# Altium PCB LA200-GZ.PcbDoc (continued)
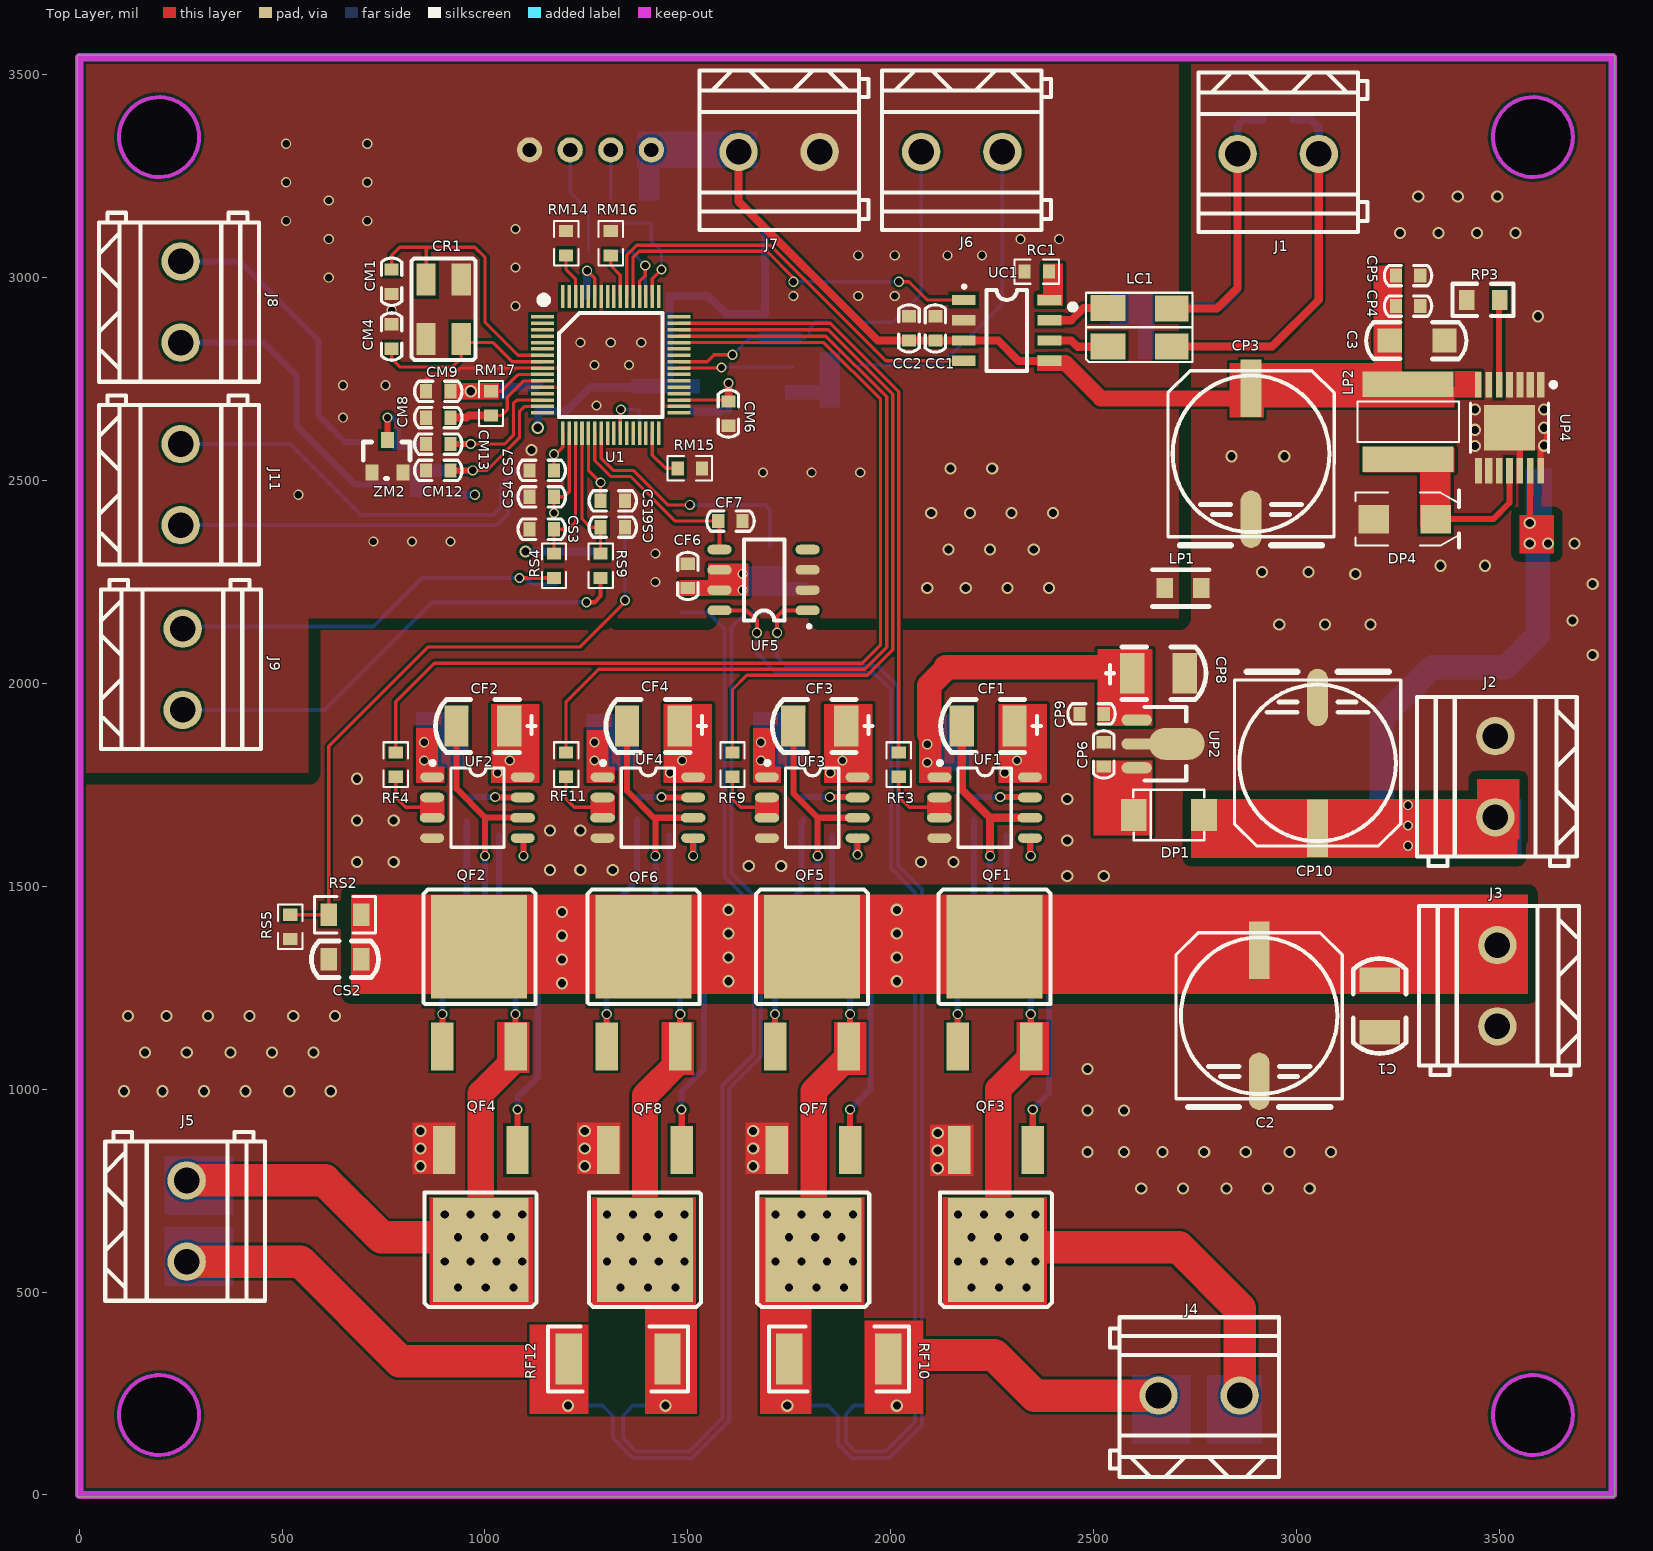
[diagram p0: Top Layer view]
## Components (designator, comment, footprint, x,y, rotation, side; value= is the part's Value field where it differs from the comment) (continued)
QF8 "FDD86567-F085" TO-252-3 1485,850 r180 top
RC1 "R0603_10K" R0603 2390,3015 r180 top
RC2 "R0805_62R" R0805 2630,2830 r0 bottom
RC3 "R0805_62R" R0805 2630,2930 r0 bottom
RF1 "R0603_10R" R0603 2205,1720 r270 bottom
RF2 "R0603_10R" R0603 955,1720 r270 bottom
RF3 "R0603_510R" R0603 2020,1830 r270 top
RF4 "R0603_510R" R0603 780,1830 r270 top
RF5 "R0603_10R" R0603 2345,1625 r180 bottom
RF6 "R0603_10R" R0603 1095,1625 r180 bottom
RF7 "R0603_10R" R0603 1780,1720 r270 bottom
RF8 "R0603_10R" R0603 1375,1720 r270 bottom
RF9 "R0603_510R" R0603 1610,1830 r270 top
RF10 "R2512_0.01R" R2512 1750,335 r0 top
RF11 "R0603_510R" R0603 1200,1830 r270 top
RF12 "R2512_0.01R" R2512 1450,335 r180 top
RF13 "R0603_10R" R0603 1915,1625 r180 bottom
RF14 "R0603_10R" R0603 1515,1625 r180 bottom
RM1 "R0603_10K" R0603 1380,2670 r90 bottom
RM2 "R0603_36K" R0603 1690,2850 r90 bottom
RM3 "R0805_1.5K" R0805 1845,2890 r0 bottom
RM4 "R0805_0.62K" R0805 1845,2785 r0 bottom
RM5 "R0603_51R" R0603 1760,2780 r270 bottom
RM6 "R0603_36K" R0603 915,2525 r270 bottom
RM7 "R0805_1.5K" R0805 840,2490 r180 bottom
RM8 "R0805_0.62K" R0805 785,2595 r180 bottom
RM9 "R0603_51R" R0603 915,2590 r180 bottom
RM10 "R0603_510R" R0603 1310,3195 r270 bottom
RM11 "R0603_510R" R0603 1255,3065 r0 bottom
RM12 "R0603_10K" R0603 1470,3135 r180 bottom
RM13 "R0603_10K" R0603 1455,2955 r180 bottom
RM14 "R0603_10K" R0603 1200,3115 r270 top
RM15 "R0603_10K" R0603 1535,2530 r180 top
RM16 "R0603_10K" R0603 1310,3115 r270 top
RM17 "R0603_0R" R0603 1015,2660 r90 top
RP3 "RP0805J-47K-1/4W" 0805_R 3420,2945 r0 top
RS1 "R0603_4.7K" R0603 1285,2445 r0 bottom
RS2 "R0805_100K" R0805 615,1430 r0 top
RS3 "R0805_4.02K" R0805 1175,2325 r270 bottom
RS4 "R0603_10K" R0603 1170,2320 r270 top
RS5 "R0603_15K" R0603 520,1370 r90 top
RS6 "R0805_4.02K" R0805 1285,2325 r270 bottom
RS7 "R0603_4.7K" R0603 1170,2460 r180 bottom
RS8 "R0603_240K" R0603 440,2450 r270 bottom
RS9 "R0603_10K" R0603 1285,2320 r270 top
RS10 "R0603_4.7K" R0603 1170,2525 r180 bottom
RS11 "R0603_240K" R0603 440,2530 r90 bottom
U1 "AC7815-LQFP64" LQFP-64_L10.0-W10.0-P0.50-LS12.0-BL-EP5.3 1275,2805 r0 top
UC1 "TLE6250G" PG-DSO-8 2180,2945 r0 top
UF1 "IRS2007STRPBF" SOIC-8L 2120,1770.91 r0 top
UF2 "IRS2007STRPBF" SOIC-8L 870,1770.91 r0 top
UF3 "IRS2007STRPBF" SOIC-8L 1695,1770.91 r0 top
UF4 "IRS2007STRPBF" SOIC-8L 1290,1770.91 r0 top
UF5 "AD8206YRZ" SO-8_NB 1795,2180 r180 top
UF6 "AD8206YRZ" SO-8_NB 1485,2175 r0 bottom
UP2 "L78L12ABUTR" SOT-89 2705,1850 r180 top
UP4 "TLF50201EL" SSOP14-EP2 3525,2630 r270 top
ZM1 "BZX84C5V1" SOT-23AK 1855,2705 r90 bottom
ZM2 "BZX84C5V1" SOT-23AK 760,2600 r90 top

## Footprints (in the part's own frame and the unit in brackets; to place one, negate y for a bottom-side part, rotate by r counter-clockwise, add the part's x,y. Pads: shape width x height; smd on the part's side, far side on the other; paste and mask are expansions set on the pad)
"5.0*3.2*0.9mm AB" [mm]
  rect 2x1.2 smd: 1(0,0) 2(3.7,0) 3(3.7,2.2) 4(0,2.2)
  silkscreen extent -1.32,-0.91 5.03,3.1, body extent -0.59,-0.51 4.41,2.69, height 1.15
0805_R [mil]
  rect 38x50 smd: 1(0,0) 2(81,0)
  silkscreen extent -35,-40 115,40
ACT45B [mm]
  rect 2.2x1.626 smd: 1(1.414,3.427) 2(1.412,1.012)
  rect 2.1x1.626 smd: 3(5.4,1.012) 4(5.4,3.4)
  silkscreen extent -0.9,0.05 6.7,4.39
C0603 [mil]
  rect 30x35 smd: 1(0,0) 2(60,0)
  silkscreen extent -28,-25 88,25, body extent -1,-15 61,17, height 35
C0805 [mil]
  rect 40x56 smd: 1(0,0) 2(80,0)
  silkscreen extent -43,-45 123,45, body extent 0,-25 80,24, height 36
C1206 [mil]
  rect 60x60 smd: 1(-0.25,0.08) 2(134.75,0.08)
  silkscreen extent -58,-45 189,45, body extent 0,-31 126,32, height 37
C1210 [mil]
  rect 60x100 smd: 1(0,0) 2(130,0)
  silkscreen extent -52,-65 182,65, body extent 0,-49 126,49, height 37
CONN-TH_2P-P5.08_DB128L-5.08-2P [mm]
  round 2.4 hole 1.6: 1(-2.54,0) 2(2.54,0)
  silkscreen extent -5.59,-5.1 4.99,4.9
CTANB [mil]
  rect 60x100 smd: 1(0,0) 2(130,0)
  silkscreen extent -65,-65 182,65, body extent -4,-55 134,55, height 75
D0-214AC [mm]
  rect 1.6x2 smd: 1(-2.337,-0.025) 2(2.063,-0.025)
  silkscreen extent -2.36,-1.6 2.08,1.55, body extent -2.48,-1.38 2.12,1.32, height 2.4
E10T10 [mm]
  rect 3.6x1.3 smd: 1(8.189,-0.076)
  oval 3.6x1.3 smd: 2(-0.011,-0.076)
  silkscreen extent -1.63,-5.28 9.29,5.13, body extent -1.07,-5.16 9.09,5, height 11.92
IDC-SIP-4P-2.54 [mil]
  round 62 hole 35: 1(0,0) 2(100,0) 3(200,0) 4(300,0)
  silkscreen extent -98,-112 394,112
L0603 [mil]
  rect 30x35 smd: 1(0,0) 2(60,0)
  silkscreen extent -20,-30 75,30, body extent -1,-16 62,16, height 35
"L 0805" [mil]
  rect 40.31x50 smd: 1(-0.25,-0.08) 2(89.75,-0.08)
  silkscreen extent -20,-45 120,45, body extent 6,-25 84,25, height 47
L_6045 [mm]
  rect 1.6x5.7 smd: 1(-2.35,0) 2(2.35,0)
  silkscreen extent -1.27,-3.17 1.27,3.17
LQFP-64_L10.0-W10.0-P0.50-LS12.0-BL-EP5.3 [mm]
  rect 1.45x0.22 smd: 1(-3.386,2.492) 2(-3.386,2.092) 3(-3.386,1.692) 4(-3.386,1.292) 5(-3.386,0.892) 6(-3.386,0.492) 7(-3.386,0.092) 8(-3.386,-0.308) 9(-3.386,-0.708) 10(-3.386,-1.108) 11(-3.386,-1.508) 12(-3.386,-1.908) 13(-3.386,-2.308) 14(-3.386,-2.708) 15(-3.386,-3.108) 16(-3.386,-3.508) 33(5.164,-3.508) 34(5.164,-3.108) 35(5.164,-2.708) 36(5.164,-2.308) 37(5.164,-1.908) 38(5.164,-1.508) 39(5.164,-1.108) 40(5.164,-0.708) 41(5.164,-0.308) 42(5.164,0.092) 43(5.164,0.492) 44(5.164,0.892) 45(5.164,1.292) 46(5.164,1.692) 47(5.164,2.092) 48(5.164,2.492)
  rect 0.22x1.45 smd: 17(-2.111,-4.783) 18(-1.711,-4.783) 19(-1.311,-4.783) 20(-0.911,-4.783) 21(-0.511,-4.783) 22(-0.111,-4.783) 23(0.289,-4.783) 24(0.689,-4.783) 25(1.089,-4.783) 26(1.489,-4.783) 27(1.889,-4.783) 28(2.289,-4.783) 29(2.689,-4.783) 30(3.089,-4.783) 31(3.489,-4.783) 32(3.889,-4.783) 49(3.889,3.767) 50(3.489,3.767) 51(3.089,3.767) 52(2.689,3.767) 53(2.289,3.767) 54(1.889,3.767) 55(1.489,3.767) 56(1.089,3.767) 57(0.689,3.767) 58(0.289,3.767) 59(-0.111,3.767) 60(-0.511,3.767) 61(-0.911,3.767) 62(-1.311,3.767) 63(-1.711,3.767) 64(-2.111,3.767)
  silkscreen extent -3.45,-3.76 4.14,3.69
PG-DSO-8 [mm]
  rect 1.5x0.65 smd: 1(0,0) 2(0,-1.27) 3(0,-2.54) 4(0,-3.81) 5(5.36,-3.81) 6(5.36,-2.54) 7(5.36,-1.27) 8(5.36,0)
  silkscreen extent -0.07,-4.44 3.96,0.94, body extent -0.3,-4.29 5.48,0.61, height 1.45
R0603 [mil]
  rect 30x35 smd: 1(0,0) 2(60,0)
  silkscreen extent -25,-30 85,30, body extent 0,-17 63,15, height 21
R0805 [mil]
  rect 40x56 smd: 1(0,0) 2(80,0)
  silkscreen extent -35,-45 115,45, body extent 2,-25 81,24, height 21
R2512 [mil] "Chip Capacitor, Body 2.54x1.27mm, IPC High Density"
  rect 65x126 smd: 1(0,0) 2(243.56,-0.15)
  silkscreen extent -50,-80 295,80, body extent -4,-63 244,63, height 25
SMA-DIODE [mil]
  rect 74.8x70 smd: A(5,0) K(158.54,0)
  silkscreen extent -40,-70 215,70
SO-8_NB [mm]
  oval 1.52x0.6 smd: 1(0,0) 2(0,-1.27) 3(0,-2.54) 4(0,-3.81) 5(5.512,-3.81) 6(5.512,-2.54) 7(5.512,-1.27) 8(5.512,0)
  silkscreen extent -0.2,-4.44 3.99,1.1, body extent -0.19,-4.31 5.59,0.6, height 1.45
SOD-80 [mm]
  rect 1.2x1.8 smd: 1(0,0) 2(3.2,0)
  silkscreen extent -0.9,-1.25 4.42,1.2, body extent -0.22,-0.83 3.48,0.77, height 1.61
SOIC-8L [mm] "SOIC, 8-Leads, Body 4.9x3.9mm, Pitch 1.27mm, IPC Medium Density"
  oval 1.5x0.6 smd: 1(-0.006,-0.051) 2(-0.006,-1.321) 4(-0.006,-3.861) 5(5.664,-3.861) 7(5.664,-1.321) 8(5.664,-0.051)
  oval 1.55x0.6 smd: 3(-0.006,-2.591) 6(5.664,-2.591)
  silkscreen extent -0.1,-4.44 4.5,0.96, body extent -0.18,-4.41 5.82,0.49, height 1.7
SOT-23 [mm]
  rect 0.8x0.9 smd: 1(-0.046,0) 2(1.854,0) 3(0.904,2.343)
  silkscreen extent -1.05,-0.12 2.17,1.45, body extent -0.55,-0.3 2.35,2.5, height 1.2
SOT-23AK [mil]
  rect 39x32 smd: A(-80,38) K(0,0) NC(-80,-38)
  silkscreen extent -95,-55 -5,60
SOT-89 [mm] "SOT23, 6-Leads, Body 2.9x1.6mm, Pitch 0.95mm, Lead Span 2.7mm, IPC Medium Density"
  oval 1.9x0.7 smd: 1(2.507,-1.527) 3(2.507,1.473)
  oval 3.5x2 smd: 2(0.007,-0.027)
  oval 2.1x0.7 smd: 2(2.407,-0.027)
  silkscreen extent -0.59,-2.33 2.01,2.27, body extent -1.24,-2.28 3.06,2.22, height 1.51
SSOP14-EP2 [mm]
  rect 2.85x3.2 smd paste-0.555 mask+0: 0(0,0)
  rect 1.6x0.45 smd paste+0 mask+0: 1(-2.7,1.95) 2(-2.7,1.3) 3(-2.7,0.65) 8(2.7,-1.95) 9(2.7,-1.3)
  rect 1.6x0.42 smd paste+0 mask+0: 4(-2.7,0) 5(-2.7,-0.65) 6(-2.7,-1.3)
  rect 1.6x0.419 smd paste+0 mask+0: 7(-2.7,-1.95) 10(2.7,-0.65) 11(2.7,0) 12(2.7,0.65) 13(2.7,1.3) 14(2.7,1.95)
  silkscreen extent -2.85,-2.45 1.55,2.9, body extent -3,-2.45 3,2.45, height 1.71
TO-252-3 [mm]
  rect 1.4x3 smd: 1(0,0) 3(4.6,0)
  rect 6x6.5 smd: 2(2.3,6.25)
  silkscreen extent -1.19,2.67 5.82,9.83, body extent -1.04,-1.18 5.66,9.18, height 2.41

## Part data
C1: library part 3170014005, "C1210 0.1uF/50V 10%"
C2 CP10: library part 3172690040, "E10T10 220uF/50V 20%"
C3: library part 3172530019, "C1206 10uF/50V  10%"
CC1 CC2 CF5 CF6 CM2 CM6 CM8 CM9 CM11 CM14 CM15 CP2 CP4 CP7 CP9 CS3 CS4 CS6 CS7: library part 3170011015, "C0603 0.1uF/50V 10%"
CC3: library part 3170011009, "C0603 4.7nF/50V 5% X7R"
CF1 CF2 CF3 CF4 CP8: library part 3172690034, "CtanB(1210) 10uF/25V 10%"
CF7 CF8 CM3 CM7 CM12 CM13: library part 3170011003, "C0603 100pF/50V 5%"
CM1 CM4: library part 3172510040, "C0603 15pF/50V 10%"
CM5 CM10: library part 3170012008, "C0805 10uF/16V 10%"
CP1: library part 3170014011, "C1210 10uF/50V 10%"
CP3: library part ELECTRO1
CP5 CS5 CS8: library part 3170011011, "C0603 10nF/50V  10%"
CP6: library part 3172510028, "C0603 0.22uF/50V 10%"
CR1: library part 53120010024, "5.0*3.2*0.9mm AB 8MHz"
CS1: library part 3172510036, "C0603 1uF/50V 10%"
CS2: library part 3172520028, "C0805 1nF/100V 10%"
DC1: library part 3110050073, "SOT-23 SZNUP2105LT1G"
DF1 DF2 DF5 DF6: library part 3110010015, "SOD-80  LL4148 2A/75V"
DF3 DF4: library part 3110050074, "SOT-23 SM36T1G"
DP1: library part 13110010013, "D0-214AC FM404"
DP4: library part DIODE, "60V,1A,肖特基二极管"
J1 J2 J3 J4 J5 J6 J7 J8 J9 J11: library part 31900010141, "691311500002 2Pin 5.08mm 公头"
LC1: library part 3180020022, "ACT45B-510-2P-TL  10M/1K/0.2A"
LM1 LM2: library part 3180020002, "L0603 ILBB0603ER102V"
LP1: library part 53180020011, "L0805 MPZ2012S221ATD25"
LP2: library part Inductor, "22uH/1.9A"
P1: library part 3190010008, "直针插座 CWF25404D180 4PIN/2.54mm/1A/250V"
QF1 QF2 QF3 QF4 QF5 QF6 QF7 QF8: library part 53110022012, "TO-252-3 FDD86567-F085 60V/100A"
RC1 RM12 RM13 RM14 RM15 RM16: library part 3160030053, "R0603 1/10w 10K 1%"
RC2 RC3: library part 3160050016, "R0805 1/8w10R 1%"
RF1 RF2 RF5 RF6 RF7 RF8 RF13 RF14: library part 3160030193, "R0603 1/10w  10R 1%"
RF3 RF4 RF9 RF11 RM10 RM11: library part 3160030020, "R0603  1/10w 510R 1%"
RF10 RF12: library part 3162380033, "R2512 1W 0.01R 1%"
RM1 RS4 RS9: library part 3160030053, "R0603 1/10w 10K"
RM2 RM6: library part 3160030087, "R0603 1/10w  36K 1%"
RM3 RM7: library part 13162320038, "R0805 1/8w 1.5K 1%最好用1/4w"
RM4 RM8: library part 3162320027, "R0805 1/8w 0.62K 1% 需要1/4w"
RM5 RM9: library part 3160030013, "R0603  1/10w 51R 1%或100欧"
RM17: library part 3160030001, "R0603 1/10w 0R 1%"
RP3: library part RES2, "汽车级电阻，47kΩ"
RS1 RS7 RS10: library part 3160030224, "R0603 1/10w  4.7K 1%"
RS2: library part 3160050008, "R0805 1/8w 100K 1%"
RS3 RS6: library part 13162320037, "R0805 1/8w 4.02K 1%"
RS5: library part 3160030062, "R0603 1/10w 15K 1%"
RS8 RS11: library part 3160030151, "R0603 1/10w 240K 1%"
U1: library part AC7811-LQFP64
UC1: library part 3100050124, "PG-DSO-8 TLE9251VSJ"
UF1 UF2 UF3 UF4: library part 3100050121, "SOIC-8L IRS2007STRPBF"
UF5 UF6: library part 3100100010, "SO-8_NB AD8206YRZ"
UP2: library part 3100050105, "SOT-89 L78L12ABUTR"
ZM1 ZM2: library part 3110010088, "SOT-23 BZX84C5V1"

## Via types
v1: diameter 30, hole 20, Top Layer to Bottom Layer, 182 vias
v2: diameter 25, hole 18, Top Layer to Bottom Layer, 107 vias

## Nets (pads, with @x,y where several pads share a name; then routed paths per layer and width w, separated by ;. In a path a pad name is that pad's centre, name@x,y a point inside that pad or via, vN(x,y) a via of type N, cw(c..) or ccw(c..) an arc to the next point about the centre after c; other vN are vias at no path point)
12V: CP8.1 CP9.1 DF1.1 DF2.1 DF5.1 DF6.1 UF1.1 UF2.1 UF3.1 UF4.1 UP2.1 | length 631.6
  Top Layer w60: 2095,1875 2095,1995 2135,2035 ; 2135,2040 CP8.1@2590,2040
  other v2: 2090,1805 850,1810 1270,1810 1680,1810 2090,1850 850,1855 1270,1855 1680,1855
28V: CP1.1 CP2.1 CP7.1 CP10.1 DP1.1 J2.1 UP4.13 | length 1338.2
  Top Layer w15: v1@3575,2385 3575,2463.52 3576.18,2464.7 UP4.13
  Bottom Layer w60: J2.1 3220,1670 3210,1680 3210,1915 3335,2040 3515,2040 3595,2120 3595,2330
  other v1: 3575,2345 3620,2345 3575,2395
  other v2: 3275,1600 3275,1650 3275,1700
AD_PZT1: CS3.1 RS4.1 U1.19 | length 339.3
  Top Layer w8: RS4.1 CS3.1 1205,2380 1223.39,2398.39 U1.19
AD_PZT2: CS6.1 RS9.1 U1.20 | length 330.3
  Top Layer w8: U1.20 1239.13,2405.87 1260,2385 CS6.1 RS9.1
AD_VBAT1: CS1.1 RS1.1 U1.21 | length 229.2
  Top Layer w8: U1.21 1254.88,2525.12 v2(1285,2495) CS1.1
  Bottom Layer w8: RS1.1 v2(1285,2495)
AVDD: CM9.1 CM10.1 LM2.1 RM17.2 U1.10 | length 200.9
  Top Layer w8: v1(965,2720) RM17.2 1040,2720 1079.91,2759.91 1081.13,2759.91 1082.59,2761.38 U1.10
  Bottom Layer w8: LM2.1@1135,2735 LM2.1@1140,2740
AVDD-IO: CM8.2 RM17.1 U1.11 | length 281.8
  Top Layer w8: RM17.1 1040,2660 1055,2675 1055,2705 1095.63,2745.63 U1.11
  Top Layer w20: CM8.2 955,2655 960,2660 RM17.1
BOOT: RM16.2 U1.55 | length 111.5
  Top Layer w8: RM16.2 1310,3030 1333.62,3006.38 U1.55
CAN1_RX: U1.54 UC1.4 | length 1061.1
  Top Layer w8: U1.54 1349.37,3055.58 1373.79,3080 1703.23,3080 1988.23,2795 UC1.4
CAN1_TX: U1.53 UC1.1 | length 973.4
  Top Layer w8: U1.53 1365.12,3050.12 1380,3065 1695,3065 1760,3000 v2(1760,2990) ; v2(2020,2990) 2045,2990 2090,2945 UC1.1
  Bottom Layer w8: v2(1760,2990) v2(2020,2990)
CANH: DC1.2 J1.2 LC1.4 RC3.2 | length 1148.4
  Top Layer w20: LC1.4 2803.86,2923.86 2855,2975 J1.2
  Bottom Layer w20: RC3.2 2815,2930 2855,2970 J1.2 2855,3375 2870,3390 DC1.2
CANL: DC1.1 J1.1 LC1.3 RC2.2 | length 1666.8
  Top Layer w20: LC1.3@2685,2830 2940,2830 3055,2945 J1.1
  Bottom Layer w20: RC2.2 2940,2830 3055,2945 J1.1 3055,3370 3035,3390 DC1.1
DVDD: CM5.2 CM6.1 CM15.2 LM1.2 U1.35 U1.59 | length 986.6
  Top Layer w8: v2(1251.89,3016.89) 1270.63,2998.15 U1.59 ; U1.35 CM6.1@1600,2698.39
  Top Layer w20: CM6.1 1600,2698.39 v2(1600,2740)
  VCC w20: v2(1251.89,3016.89) 1251.89,2963.11 1265,2950 1430,2950 1470,2910 1470,2815 1545,2740 v2(1600,2740)
  Bottom Layer w20: CM15.2 v2(1251.89,3016.89) ; LM1.2 CM5.2@1580,2670 ; CM5.2 v2(1600,2740)
EXTAL: CM1.1 CR1.1 U1.7 | length 701.1
  Top Layer w8: CM1.1 770,3055 790,3075 860,3075 ; CR1.1 855,3070 860,3075 ; U1.7 1081.38,2808.62 1000,2890 1000,3050 975,3075 860,3075
GND: CC1.2 CC2.1 CC3.2 CF5.2 CF6.2 CF7.2 CF8.2 CM1.2 CM2.1 CM3.1 CM4.2 CM5.1 CM6.2 CM7.1 CM8.1 CM9.2 CM10.2 CM11.2 CM12.1 CM13.1 CM14.1 CM15.1 CR1.2 CR1.4 CS1.2 CS3.2 CS4.2 CS5.2 CS6.2 CS7.2 CS8.2 J7.1 LP1.2 P1.1 RC1.2 RM12.1 RM14.1 RM15.1 RM16.1 RS8.1 RS11.1 U1.9 U1.12 U1.34 U1.58 UC1.2 UF5.2 UF5.3 UF6.2 UF6.3 ZM1.A ZM1.NC ZM2.A ZM2.NC | length 327.9
  Top Layer w8: CM9.2 855,2750 865,2760 921.21,2760 938.34,2777.13 U1.9
  other v1: 2090,2235 2185,2235 2287.5,2235 2390,2235 2142.5,2330 2245,2330 2352.5,2330 2100,2420 2195,2420 2297.5,2420 2400,2420 2147.5,2530 2250,2530 1115,2575
  other v2: 1420,2250 1420,2320 725,2350 820,2350 915,2350 540,2465 1685,2520 1805,2520 1925,2520 650,2655 1275,2685 650,2735 755,2735 1270,2785 1355,2785 1235,2840 1310,2840 1385,2840 770,2920 1075,2930 1760,2955 1920,2955 2010,2955 615,3000 1075,3025 1920,3055 2010,3055 2140,3055 2225,3055 615,3095 2320,3095 2415,3095 1075,3120 510,3140 710,3140 615,3190 510,3235 710,3235 510,3330 710,3330
IINJ1_AD_MCU: CF7.1 U1.22 UF5.5 | length 506.6
  Top Layer w8: U1.22 1270.63,2549.37 1310,2510 1358.79,2510 1468.79,2400 CF7.1 CF7.1@1578,2400
  Top Layer w10: UF5.5 CF7.1@1578,2400
IINJ2_AD_MCU: CF8.1 U1.23 UF6.5 | length 618
  Top Layer w8: U1.23 1286.38,2554.84 1316.21,2525 1365,2525 1450,2440 v2(1505,2440)
  Bottom Layer w10: v2(1505,2440) 1690,2440 1702,2428 1702,2340
MAP1-IN: CS5.1 J11.2 RS7.2 RS8.2 | length 908.6
  Bottom Layer w10: J11.2@240,2390 J11.2 CS5.1 RS8.2 ; RS8.2@445,2390 1030,2390 1057,2417 1057,2442 1075,2460 RS7.2
MAP1_AD_MCU: CS4.1 RS7.1 U1.18 | length 266.9
  Top Layer w8: v2(1170,2420) CS4.1 1195,2460 1207.64,2472.64 U1.18
  Bottom Layer w8: v2(1170,2420) RS7.1
MAP2-IN: CS8.1 J11.1 RS10.2 RS11.2 | length 1030.3
  Bottom Layer w10: J11.1@240,2590 J11.1 CS8.1 RS11.2 520,2590 695,2415 1020,2415 1040,2435 1040,2490 1075,2525 RS10.2 RS10.2@1120,2525
MAP2_AD_MCU: CS7.1 RS10.1 U1.17 | length 125.8
  Top Layer w8: CS7.1 1170,2560 1191.89,2581.89 U1.17
  Bottom Layer w8: RS10.1@1170,2540 v2(1170,2565)
NetCC3_1: CC3.1 RC2.1 RC3.1 | length 194.1
  Bottom Layer w8: CC3.1 2560,2920 2570,2930 RC3.1 RC2.1
NetCF1_1: CF1.1 DF1.2 UF1.8
  other v2: 2281,1780 2311,1810
NetCF2_1: CF2.1 DF2.2 UF2.8
  other v2: 1031,1780 1061,1810
NetCF3_1: CF3.1 DF5.2 UF3.8
  other v2: 1851,1780 1881,1810
NetCF4_1: CF4.1 DF6.2 UF4.8
  other v2: 1456,1780 1486,1810
NetCP6_1: CP6.1 DP1.2 UP2.3 | length 197
  Top Layer w8: CP6.1@2515,1792.02 UP2.3 ; DP1.2@2605,1685 UP2.3@2605,1790.73
NetDP4_K: DP4.K LP2.1 UP4.11 | length 276.7
  Top Layer w15: DP4.K 3485,2405 3525,2445 UP4.11
NetLC1_1: LC1.1 UC1.7 | length 157
  Top Layer w20: UC1.7 2445,2895 2474.91,2924.91 LC1.1
NetLC1_2: LC1.2 UC1.6 | length 150.8
  Top Layer w20: UC1.6 2445,2845 2460.14,2829.86 LC1.2
NetQF1_1: QF1.1 RF1.2 | length 566.6
  Top Layer w15: QF1.1 v2(2165,1185)
  Bottom Layer w15: v2@2165,1195 2165,1405 2205,1445 RF1.2 RF1.2@2205,1665
NetQF2_1: QF2.1 RF2.2 | length 579.9
  Top Layer w15: QF2.1 v2(895,1185)
  Bottom Layer w15: v2(895,1185) 895,1420 955,1480 RF2.2
NetQF3_1: QF3.1 RF5.2 | length 835.1
  Top Layer w15: QF3.1 v2(2350,950)
  Bottom Layer w15: RF5.2 2285,1460 2390,1355 2390,990 v2(2350,950)
NetQF4_1: QF4.1 RF6.2 | length 835.1
  Top Layer w15: QF4.1 v2(1080,950)
  Bottom Layer w15: RF6.2 1035,1380 1130,1285 1130,1030 1080,980 v2(1080,950)
NetQF5_1: QF5.1 RF7.2 | length 586.9
  Top Layer w15: QF5.1 v2(1715,1185)
  Bottom Layer w15: v2(1715,1185) 1715,1425 1780,1490 RF7.2 ; RF7.2@1785,1660 RF7.2@1785,1665
NetQF6_1: QF6.1 RF8.2 | length 591.1
  Top Layer w15: QF6.1 v2(1300,1185)
  Bottom Layer w15: v2(1300,1185) 1300,1440 1375,1515 RF8.2@1375,1665
NetQF7_1: QF7.1 RF13.2 | length 828
  Top Layer w15: QF7.1 v2(1900,950)
  Bottom Layer w15: RF13.2 1855,1440 1950,1345 1950,1000 v2@1905,955
NetQF8_1: QF8.1 RF14.2 | length 833.4
  Top Layer w8: v2(1484.5,950) v2@1485,949.5
  Top Layer w15: QF8.1 v2@1485,949.5
  Bottom Layer w15: RF14.2 1455,1410 1540,1325 1540,1050 1484.5,994.5 v2(1484.5,950)
NetRC1_1: RC1.1 UC1.8
NetRF1_1: RF1.1 UF1.7 | length 136.9
  Top Layer w15: v2(2270,1720) UF1.7@2341.91,1720
  Bottom Layer w15: RF1.1 v2(2270,1720)
NetRF2_1: RF2.1 UF2.7 | length 133.5
  Top Layer w15: v2(1025,1720) 1026.09,1718.91 UF2.7
  Bottom Layer w15: RF2.1@960,1720 v2(1025,1720)
NetRF3_2: RF3.2 UF1.2 UF1.3 | length 160.4
  Top Layer w8: RF3.2 2020,1720 2045,1695 2120,1695
NetRF4_2: RF4.2 UF2.2 UF2.3 | length 150.4
  Top Layer w8: RF4.2 780,1720 805,1695 870,1695
NetRF5_1: RF5.1 UF1.5 | length 94.7
  Top Layer w15: UF1.5 2343,1577 v2(2345,1575)
  Bottom Layer w15: v2(2345,1575) RF5.1
NetRF6_1: RF6.1 UF2.5 | length 86
  Top Layer w15: v2(1095,1575) UF2.5@1095,1611
  Bottom Layer w15: v2(1095,1575) RF6.1
NetRF7_1: RF7.1 UF3.7 | length 138.5
  Top Layer w15: v2(1850,1720) 1916.91,1720 UF3.7
  Bottom Layer w15: RF7.1 v2(1850,1720)
NetRF8_1: RF8.1 UF4.7 | length 145.5
  Top Layer w15: v2(1435,1720) 1436.09,1718.91 UF4.7
  Bottom Layer w15: RF8.1@1380,1715 RF8.1 v2(1435,1720)
NetRF9_2: RF9.2 UF3.2 UF3.3 | length 148.3
  Top Layer w8: RF9.2 1610,1715 1630,1695 1695,1695
NetRF11_2: RF11.2 UF4.2 UF4.3 | length 152.4
  Top Layer w8: RF11.2@1210,1770 1200,1760 1200,1715 1220,1695 1285,1695
NetRF13_1: RF13.1 UF3.5 | length 89.2
  Top Layer w15: v2(1918,1578) UF3.5
  Bottom Layer w15: RF13.1 1915,1581 v2(1918,1578)
NetRF14_1: RF14.1 UF4.5 | length 88.8
  Top Layer w15: v2(1513,1575) UF4.5@1513,1613
  Bottom Layer w15: v2(1513,1575) 1515,1577 RF14.1
NetRM4_1: RM4.1 RM5.2 ZM1.K
NetRM8_1: RM8.1 RM9.2 ZM2.K | length 134.1
  Top Layer w15: ZM2.K v2(760,2655)
  Bottom Layer w15: v2(760,2655) 775,2655 785,2645 RM8.1
NetRP3_2: RP3.2 UP4.5 | length 213.1
  Top Layer w15: UP4.5 RP3.2@3499.41,2949.41
NetRS1_2: RS1.2 RS2.1 RS5.2 | length 1632
  Top Layer w8: RS5.2 RS2.1 615,1845 860,2090 1235,2090 1345,2200 v2(1345,2205)
  Bottom Layer w8: v2(1345,2205) RS1.2
NOZZLE1_M1: CF1.2 DF3.2 J4.2 QF1.3 QF3.2 UF1.6 | length 2215.7
  Top Layer w15: QF1.3@2345,1106.1 v2(2345,1185)
  Top Layer w20: CF1.2 2175,1738.91 2245,1668.91 ; v2(2245,1575) 2245,1668.91 ; UF1.6 2245,1668.91
  Top Layer w65: QF3.2@2265,603.94 2265,1000 QF1.3@2350,1085
  Top Layer w80: 2380,610 2710,610 2860,460 J4.2@2860,250
  Bottom Layer w15: v2(2245,1575) 2245,1450 2345,1350 v2@2345,1195
  other v1: 2199,511 2267,511 2335,511 2166,575 2229.67,575 2293.33,575 2357,575 2199,635 2264,635 2329,635 2166,691 2229.67,691 2293.33,691 2357,691
NOZZLE1_M2: DF3.1 J4.1 RF10.2 UF5.8 | length 3497
  Top Layer w10: UF5.8 1645,2180 1670,2155 v2(1670,2125)
  Top Layer w80: RF10.2@1993.56,344.85 2255.15,344.85 2350,250 ; 2355,245 J4.1
  Bottom Layer w10: v2(1670,2125) 1670,2075 1720,2025 1960,2025 2000.5,1984.5 2000.5,1544.5 2060,1485 2060,180 1987.5,107.5 1912.5,107.5 1890,130 1890,200 1910,220 2005,220 v1@2015,230
  other v1: 2015,220
NOZZLE2_M1: CF2.2 DF4.2 J5.1 QF2.3 QF4.2 UF2.6 | length 2203.3
  Top Layer w15: CF2.2@930,1885 930,1740 1000,1670 ; v2(1000,1575) 1000,1670 ; QF2.3@1075,1105 v2(1075,1185) ; UF2.6@1095,1670 1000,1670
  Top Layer w20: CF2.2@920,1926 CF2.2@925,1926 ; CF2.2@925,1921 CF2.2@930,1926
  Top Layer w65: QF4.2@990,650 990,990 1070,1070 QF2.3@1070,1115
  Top Layer w80: J5.1 605,775 745,635 QF4.2@965,635
  Bottom Layer w15: v2(1000,1575) 1000,1365 1075,1290 v2(1075,1185)
  other v1: 934,511 1002,511 1070,511 901,575 964.67,575 1028.33,575 1092,575 934,635 999,635 1064,635 901,691 964.67,691 1028.33,691 1092,691
NOZZLE2_M2: DF4.1 J5.2 RF12.2 UF6.8 | length 3660.1
  Top Layer w80: J5.2 545,575 790,330 RF12.2@1175,330
  Bottom Layer w10: v1(1205,220) 1290,220 1315,195 1315,140 1355,100 1355.96,100 1365.46,90.5 1510.5,90.5 1602,182 1602,1002 1680,1080 1680,1460 1607.5,1532.5 1607.5,2137.5 1645,2175 UF6.8
PGND: C1.2 C2.2 C3.2 CP1.2 CP2.2 CP3.2 CP4.2 CP5.2 CP6.2 CP7.2 CP8.2 CP9.2 CP10.2 CS2.2 DC1.3 DF3.3 DF4.3 DP4.A J2.2 J3.1 LP1.1 QF3.3 QF4.3 QF7.3 QF8.3 RP3.1 RS5.1 UF1.4 UF2.4 UF3.4 UF4.4 UP2.2 UP4.0 UP4.1 UP4.2 UP4.3 UP4.4 UP4.6 UP4.8 UP4.9 UP4.10 UP4.12 UP4.14 | length 171
  Top Layer w15: UP4.12 UP4.0@3550.59,2585 ; UP4.14 v1@3601.77,2582.7 ; v1@3612.5,2585.93 3617.5,2590.93 v1@3617.5,2630 ; v1@3614.27,2582.7 v1@3617.5,2585.93
  other v1: 2617.5,755 2720,755 2827.5,755 2930,755 3032.5,755 2116,805 841,810 1246,810 1661,810 2485,845 2575,845 2670,845 2772.5,845 2875,845 2982.5,845 3085,845 2116,848.5 841,853.5 1246,853.5 1661,853.5 2116,892 841,897 1246,897 1661,897 2485,947.5 2575,947.5 110,995 205,995 307.5,995 410,995 517.5,995 620,995 2485,1050 162.5,1090 265,1090 372.5,1090 475,1090 577.5,1090 120,1180 215,1180 317.5,1180 420,1180 527.5,1180 630,1180 2435,1525 2525,1525 1160,1540 1235,1540 1315,1540 1650,1550 1730,1550 685,1560 775,1560 2075,1560 2155,1560 2435,1612.5 1160,1637.5 1235,1637.5 685,1662.5 775,1662.5 2435,1715 685,1765 3730,2070 2957.5,2145 3070,2145 3182.5,2145 3680,2155 3730,2245 3145,2270 2915,2275 3030,2275 3355,2290 3465,2290 3685,2345 2840,2560 2970,2560 3440,2585 3610,2585.93 3440,2625 3610,2630 3440,2675 3610,2675 3595,2905 3255,3110 3350,3110 3445,3110 3540,3110 3300,3200 3397.5,3200 3495,3200
PZT1-IN: J9.1 RS3.2 RS4.2 | length 1060.9
  Top Layer w10: v2(1085,2260) RS4.2
  Bottom Layer w10: J9.1@255,2140 725,2140 845,2260 v2(1085,2260) 1100,2260 1115,2245 RS3.2
PZT2-IN: J9.2 RS6.2 RS9.2 | length 1277.2
  Top Layer w10: v2(1250,2200) 1270,2200 1285,2215 RS9.2
  Bottom Layer w10: J9.2 605,1935 870,2200 v2(1250,2200) 1270,2200 1285,2215 RS6.2@1285,2260
RESET: CM2.2 RM1.1 U1.26 | length 160.6
  Top Layer w8: U1.26@1333.62,2625 1333.62,2673.62 v2(1335,2675)
  Bottom Layer w8: v2(1335,2675) 1380,2675 RM1.1 CM2.2
RX1: CM3.2 RM2.1 RM3.1 U1.41 | length 350.7
  Top Layer w8: U1.41 1547.87,2792.87 1565,2810 v2(1610,2810)
  Bottom Layer w8: v2(1610,2810) 1650,2850 RM2.1 ; RM2.1@1690,2845 RM2.1@1695,2845 ; CM3.2 1790,2850 1800,2860 1800,2875 1815,2890 RM3.1
RX2: CM12.2 RM6.1 RM7.1 U1.15 | length 385.1
  Top Layer w8: v2(970,2525) 1005,2525 1085,2605 1085,2670 1097.64,2682.64 U1.15
  Top Layer w15: CM12.2 v2(970,2525)
  Bottom Layer w15: RM6.1 v2(970,2525)
RXD1: J6.2 RM3.2 | length 524
  Bottom Layer w8: RM3.2 2005,2890 2075,2960 J6.2@2075,3305
RXD2: J8.2 RM7.2 | length 748.6
  Bottom Layer w15: J8.2@240,2865 250,2865 275,2840 455,2840 535,2760 535,2635 680,2490 RM7.2
SWCLK: RM10.2 RM12.2 U1.50 | length 301.4
  Top Layer w8: U1.50 1412.36,2997.36 v2(1435,3020)
  Bottom Layer w8: RM10.2 RM12.2 1410,3090 1435,3065 v2(1435,3020)
SWCLK-IN: P1.3 RM10.1 | length 120
  Bottom Layer w8: RM10.1 P1.3
SWDIO: RM11.2 RM13.2 U1.52 | length 252
  Top Layer w8: U1.52 1380.87,2990.87 1395,3005 v2(1395,3030)
  Bottom Layer w8: RM11.2 1360,3065 v2(1395,3030) RM13.2
SWDIO-IN: P1.2 RM11.1 | length 268.6
  Bottom Layer w8: P1.2 1210,3210 1255,3165 RM11.1
T1_H: RF3.1 U1.47 | length 1500.2
  Top Layer w8: U1.47 1851.28,2887.36 2020,2718.64 RF3.1
T1_N: RF9.1 U1.46 | length 1812.9
  Top Layer w8: U1.46 1845.81,2871.61 2005,2712.43 2005,2082.57 1942.43,2020 1645,2020 1610,1985 RF9.1
T2_H: RF4.1 U1.44 | length 2537.7
  Top Layer w8: RF4.1 780,1955 875,2050 1930,2050 1975,2095 1975,2700 1834.88,2840.12 U1.44
T2_N: RF11.1 U1.45 | length 2165.7
  Top Layer w8: RF11.1@1210,1830 1200,1840 1200,1955 1280,2035 1936.21,2035 1990,2088.79 1990,2706.21 1840.35,2855.87 U1.45
TX1: CM7.2 RM5.1 U1.40 | length 285.3
  Top Layer w8: U1.40 v2@1582.87,2777.13 ; v2(1582.87,2778.62) 1584.25,2780 v2@1585,2779.25
  Bottom Layer w8: v2(1582.87,2778.62) 1584.25,2780 CM7.2 RM5.1
TX2: CM13.2 RM9.1 U1.14 | length 367.7
  Top Layer w8: v2(965,2590) 1048.79,2590 1070,2611.21 1070,2690 1078.39,2698.39 U1.14
  Top Layer w15: CM13.2 v2(965,2590)
  Bottom Layer w15: RM9.1 v2(965,2590)
TXD1: J6.1 RM4.2 | length 782.1
  Bottom Layer w8: RM4.2 2125,2785 2275,2935 J6.1@2275,3305
TXD2: J8.1 RM8.2 | length 748.1
  Bottom Layer w15: J8.1@250,3065 275,3040 395,3040 590,2845 590,2660 655,2595 RM8.2@695,2595
UART1_CTS: RM14.2 U1.62 | length 111.4
  Top Layer w8: RM14.2 1200,3020 1223.39,2996.61 U1.62
UART1_RTS: RM15.2 U1.31 | length 140.2
  Top Layer w8: U1.31 1412.36,2562.64 1445,2530 RM15.2@1485,2530
VBAT: C1.1 C2.1 CS2.1 J3.2 QF1.2 QF2.2 QF5.2 QF6.2 RS2.2 | length 127.1
  Top Layer w10: RS2.2@695,1435 RS2.2 CS2.1 695,1315 CS2.1@700,1310
  other v1: 1190,1261 1600,1266 2015,1266 1190,1319.67 1600,1324.67 2015,1324.67 1190,1378.33 1600,1383.33 2015,1383.33 1190,1437 1600,1442 2015,1442
VCC: C3.1 CC1.1 CC2.2 CF5.1 CF6.1 CM11.1 CM14.2 CP3.1 CP4.1 CP5.1 J7.2 LM1.1 LM2.2 LP2.2 P1.4 RM1.2 RM2.2 RM6.2 RM13.1 RS3.1 RS6.1 UC1.3 UC1.5 UF5.6 UF5.7 UF6.6 UF6.7 UP4.7 | length 3204.5
  Top Layer w20: J7.2 1625,3187.93 1967.93,2845 CC2.2 CC1.1 UC1.3 2265,2845 2315,2795 UC1.5@2390,2795
  Top Layer w40: UC1.5@2390,2790 2430,2790 2517.58,2702.42 3063,2702.42
  Bottom Layer w20: RM6.2 v2(975,2465) ; v1(1100,2325) RS3.1 RS6.1 ; v1(1130,2630) LM2.2 1200,2670 1260,2730 RM1.2 ; CM11.1@1455,2735 RM13.1@1455,2940 ; RM13.1 1550,2955 1595,2910 RM2.2 1690,3122.93 1625,3187.93 J7.2
  other v2: 1635,2230 1635,2270
VIINJ1S-: CF3.2 QF5.3 QF7.2 RF10.1 UF3.6 UF5.1 | length 4327.5
  Top Layer w10: v2(1720,2125) 1720,2165 1735,2180 UF5.1 ; UF5.1@1795,2185 UF5.1@1800,2185
  Top Layer w15: CF3.2@1740,1928.5 CF3.2@1750,1918.5 ; CF3.2 1760,1728.91 1820,1668.91 ; v2(1820,1575) 1820,1668.91 ; QF5.3 1900,1108.9 v2(1900,1185) ; UF3.6 1820,1668.91
  Top Layer w65: QF7.2@1820,570 1810,580 1810,995 QF5.3@1890,1075
  Bottom Layer w10: v2(1720,2125) 1720,2065 1742.32,2042.68 1967.32,2042.68 2017.5,1992.5 2017.5,1551.54 2077,1492.04 2077,172 1995.5,90.5 1904.5,90.5 1870,125 1870,195 1845,220 1755,220 v1@1745,230
  Bottom Layer w15: v2(1820,1575) 1820,1410 1900,1330 v2(1900,1185)
  other v1: 1745,220 1749,511 1817,511 1885,511 1716,575 1779.67,575 1843.33,575 1907,575 1749,635 1814,635 1879,635 1716,691 1779.67,691 1843.33,691 1907,691
VIINJ2S-: CF4.2 QF6.3 QF8.2 RF12.1 UF4.6 UF6.1 | length 4092
  Top Layer w15: CF4.2@1340,1928.5 CF4.2@1355,1913.5 ; CF4.2 1350,1735 1416.09,1668.91 1425,1668.91 ; v2(1420,1575) 1420,1663.91 1425,1668.91 ; QF6.3 v2(1481.1,1185) ; UF4.6 1425,1668.91
  Top Layer w65: QF8.2 1394.45,984.45 1480,1070 QF6.3@1480,1105
  Bottom Layer w10: v1(1445,220) 1365,220 1340,195 1340,140 1372.5,107.5 1503.46,107.5 1585,189.04 1585,1009.04 1663,1087.04 1663,1452 1590.5,1524.5 1590.5,2134.5 1550,2175 UF6.1
  Bottom Layer w15: v2(1420,1575) 1420,1380 1481.1,1318.9 v2(1481.1,1185)
  other v1: 1334,511 1402,511 1470,511 1301,575 1364.67,575 1428.33,575 1492,575 1334,635 1399,635 1464,635 1301,691 1364.67,691 1428.33,691 1492,691
XTAL: CM4.1 CR1.3 U1.8 | length 485
  Top Layer w8: CM4.1 770,2800 790,2780 920,2780 941.61,2801.61 CR1.3 950.94,2840 1020,2840 1067.13,2792.87 U1.8
pads on no net: U1.1 U1.2 U1.3 U1.4 U1.5 U1.6 U1.13 U1.16 U1.24 U1.25 U1.27 U1.28 U1.29 U1.30 U1.32 U1.33 U1.36 U1.37 U1.38 U1.39 U1.42 U1.43 U1.48 U1.49 U1.51 U1.56 U1.57 U1.60 U1.61 U1.63 U1.64 UF5.4 UF6.4

## Polygon pours and split planes (outlines as drawn)
VCC on VCC "AutoNaming" (solid, remove dead copper, pour order 42): 915,2690 1165,2690 1165,2620 1165,2515 1785,2520 1860,2520 1855,2515 1855,2150 1435,2150 1020,2150 1020,2325 725,2325 725,2475 725,2690
GND on VCC "AutoNaming" (solid, remove dead copper, pour order 52): 0,1779.12 565,1779.12 565,2014.12 565,2069.12 565,2160 1377.41,2160 1720.01,2160 2065.88,2160 2710,2160 2710,2804.12 2710,3554.12 2705,3559.12 -15,3559.12
PGND on VCC "AutoNaming" (solid, remove dead copper, pour order 56): -420,3750 -95,3425 -95,-390 4100,-390 3905,-195 3905,3870
GND on Top Layer "AutoNaming" (solid, remove dead copper, pour order 44): 0,1780 565,1780 565,2015 565,2070 565,2160.88 1377.41,2160.88 1720.01,2160.88 2065.88,2160.88 2710,2160.88 2710,2805 2710,3555 2705,3560 -15,3560
PGND on Top Layer "AutoNaming" (solid, remove dead copper, pour order 62): -445,3825 -415,3795 -415,25 -415,-585 -350,-650 -160,-460 4280,-460 4280,3610 3850,4040 3715,4175 215,4175
GND on GND "AutoNaming" (solid, remove dead copper, pour order 48): -2.38,1777.36 562.62,1777.36 562.62,2012.36 562.62,2067.36 562.62,2158.23 1375.03,2158.23 1717.63,2158.23 2063.5,2158.24 2707.62,2158.23 2707.62,2802.36 2707.62,3552.36 2702.62,3557.36 -17.38,3557.36
PGND on GND "AutoNaming" (solid, remove dead copper, pour order 54): -165,3800 -165,-275 -180,-290 -115,-225 4130,-225 4130,3530 3940,3720
GND on Bottom Layer "AutoNaming" (solid, remove dead copper, pour order 50): 1.89,1777.47 566.89,1777.47 566.89,2012.47 566.89,2067.47 566.89,2158.35 1379.3,2158.35 1721.9,2158.35 2067.77,2158.35 2711.89,2158.35 2711.89,2802.47 2711.89,3552.47 2706.89,3557.47 -13.11,3557.47
PGND on Bottom Layer "AutoNaming" (solid, remove dead copper, pour order 58): -225,3600 -225,-195 -355,-325 -335,-345 4530,-345 4530,3135 3825,3840

## Keep-outs
Keep-Out Layer:
  circle w10: c3582.68,3346.46 r98.43
  circle w10: c3582.68,196.85 r98.43
  circle w10: c196.85,196.85 r98.43
  circle w10: c196.85,3346.46 r98.43
  lines w20: 0,0 0,3543.31 3779.53,3543.31 3779.53,0 0,0

## Other copper
Top Layer:
  rectangle net VCC: 3390,2705 3455,2770
  rectangle net VCC: 2920,2720 3260,2790
  rectangle net VCC: 2835,2655 2920,2790
  rectangle net VCC: 2880,2680 3390,2730
  rectangle net VCC: 3190,2715 3260,3030
  rectangle net 28V: 3550,2320 3635,2415
  rectangle net NetDP4_K: 3165,2520 3390,2580
  rectangle net NetDP4_K: 3305,2385 3380,2570
  rectangle net NOZZLE2_M1: 863,468 1120,734
  rectangle net VBAT: 670,1235 3570,1480
  rectangle net NOZZLE1_M2: 1935,200 2080,430
  rectangle net VIINJ2S-: 1395,200 1522,468
  rectangle net VIINJ1S-: 1678,200 1805,468
  rectangle net NOZZLE1_M1: 2128,468 2385,734
  rectangle net VIINJ1S-: 1678,468 1935,734
  rectangle net VIINJ2S-: 1263,468 1520,734
  rectangle net NetCF1_1: 2265,1755 2385,1949
  rectangle net NetCF3_1: 1835,1755 1955,1949
  rectangle net NetCF4_1: 1440,1755 1560,1949
  rectangle net NetCF2_1: 1015,1755 1135,1949
  rectangle net 12V: 830,1760 884.78,1890
  rectangle net 12V: 830,1755 900,1795
  rectangle net 12V: 1250,1760 1304.78,1885
  rectangle net 12V: 1250,1755 1320,1795
  rectangle net 12V: 2070,1755 2150,1795
  rectangle net 12V: 1660,1755 1730,1795
  rectangle net 12V: 1660,1760 1714.78,1890
  rectangle net 12V: 2070,1755 2124.78,1890
  rectangle net NOZZLE1_M1: 2310,1035 2390,1165
  rectangle net VIINJ1S-: 1860,1035 1940,1165
  rectangle net VIINJ2S-: 1435,1035 1515,1165
  rectangle net NOZZLE2_M1: 1030,1040 1110,1165
  rectangle net NOZZLE2_M2: 1110,200 1255,420
  rectangle net AVDD: 900,2700 1035,2740
  rectangle net VCC: 1480,2215 1605,2255
  rectangle net VCC: 1550,2215 1650,2295
  rectangle net NetRF11_2: 1260,1665 1320,1725
  rectangle net NetRF4_2: 840,1665 900,1725
  rectangle net NetRF9_2: 1665,1665 1725,1725
  rectangle net NetRF3_2: 2090,1665 2150,1725
  rectangle net 12V: 2510,1895 2645,2085
  rectangle net 28V: 2745,1640 3530,1710
  rectangle net 28V: 3445,1615 3550,1765
  rectangle net NetCP6_1: 2500,1625 2645,1810
  rectangle net NetRC1_1: 2375,2930 2425,3035
  rectangle net NetRC1_1: 2360,2930 2425,2960
  rectangle net 28V: 2740,1570 3545,1715
  rectangle net PGND: 822,791 929,918
  rectangle net PGND: 1227,791 1334,918
  rectangle net PGND: 1642,791 1749,918
  rectangle net VCC: 2360,2770 2410,2810
  rectangle net PGND: 2097,786 2204,913
  pour cut-out: 1255,465 1395,468 1395,425 1395,192.86 1255,192.86
  pour cut-out: 1805,468 1935,460.86 1935,192.86 1805,192.86
VCC:
  rectangle net VBAT: 1010,1235 3580,1480
  rectangle net NOZZLE1_M1: 2137,470 2384,734
  rectangle net VIINJ1S-: 1687,470 1934,734
  rectangle net VIINJ2S-: 1260,470 1519,734
  rectangle net NOZZLE2_M1: 865,470 1119,734
  rectangle net 12V: 830,1830 2125,1925
  rectangle net 12V: 830,1755 885,1875
  rectangle net 12V: 1250,1755 1305,1875
  rectangle net 12V: 1660,1755 1715,1875
  rectangle net 12V: 2070,1755 2125,1875
GND:
  rectangle net VBAT: 865,1235 2350,1480
  rectangle net NOZZLE1_M1: 2130,469 2385,734
  rectangle net VIINJ1S-: 1680,469 1935,734
  rectangle net VIINJ2S-: 1265,469 1520,734
  rectangle net NOZZLE2_M1: 865,469 1120,734
Bottom Layer:
  rectangle net 28V: 3550,2320 3635,2415
  rectangle net 28V: 3565,2320 3630,2530
  rectangle net NOZZLE1_M1: 2129,470 2384,733
  rectangle net VIINJ1S-: 1679,470 1934,733
  rectangle net VIINJ2S-: 1264,470 1519,733
  rectangle net NOZZLE2_M1: 864,470 1119,733
  rectangle net 12V: 830,1790 960,1930
  rectangle net 12V: 1250,1785 1380,1925
  rectangle net 12V: 1660,1790 1790,1930
  rectangle net 12V: 2070,1785 2200,1925
  rectangle net NetRM8_1: 770,2575 870,2600
  rectangle net RX2: 815,2460 865,2540
  rectangle net RX2: 820,2510 930,2540
  rectangle net NetCF2_1: 1015,1755 1080,1945
  rectangle net NetCF4_1: 1440,1755 1505,1945
  rectangle net NetCF3_1: 1835,1755 1900,1945
  rectangle net NetCF1_1: 2265,1755 2330,1945
  rectangle net NOZZLE1_M2: 2595,125 2740,295
  rectangle net NOZZLE1_M1: 2780,125 2915,295
  region net NOZZLE2_M1: 380,690 380,835 210,835 210,690
  region net NOZZLE2_M2: 380,515 380,660 210,660 210,515
  rectangle net AVDD: 945,2700 1060,2740
  rectangle net VCC: 1620,2215 1735,2290
  rectangle net VCC: 1715,2215 1795,2250
  rectangle net NetCC3_1: 2540,2885 2650,2960
  rectangle net NetCC3_1: 2610,2800 2650,2940
  rectangle net VCC: 1360,2715 1530,2750
  rectangle net NetRM4_1: 1740,2700 1875,2735
  rectangle net NetRM4_1: 1825,2680 1875,2815
  rectangle net RX1: 1675,2835 1780,2865
  rectangle net VCC: 1375,3270 1670,3360
  rectangle net AVDD: 1050,2720 1135,2740
  rectangle net VCC: 1380,3190 1430,3345
  rectangle net 28V: 3155,1575 3555,1715

## Dimensions
3779.53,3543.31 to 3779.53,0 on Keep-Out Layer
0,3543.31 to 3779.53,3543.31 on Keep-Out Layer